# Altium PCB FMC_SDR_LFFE.PcbDoc (part 2 of 3) (continued)
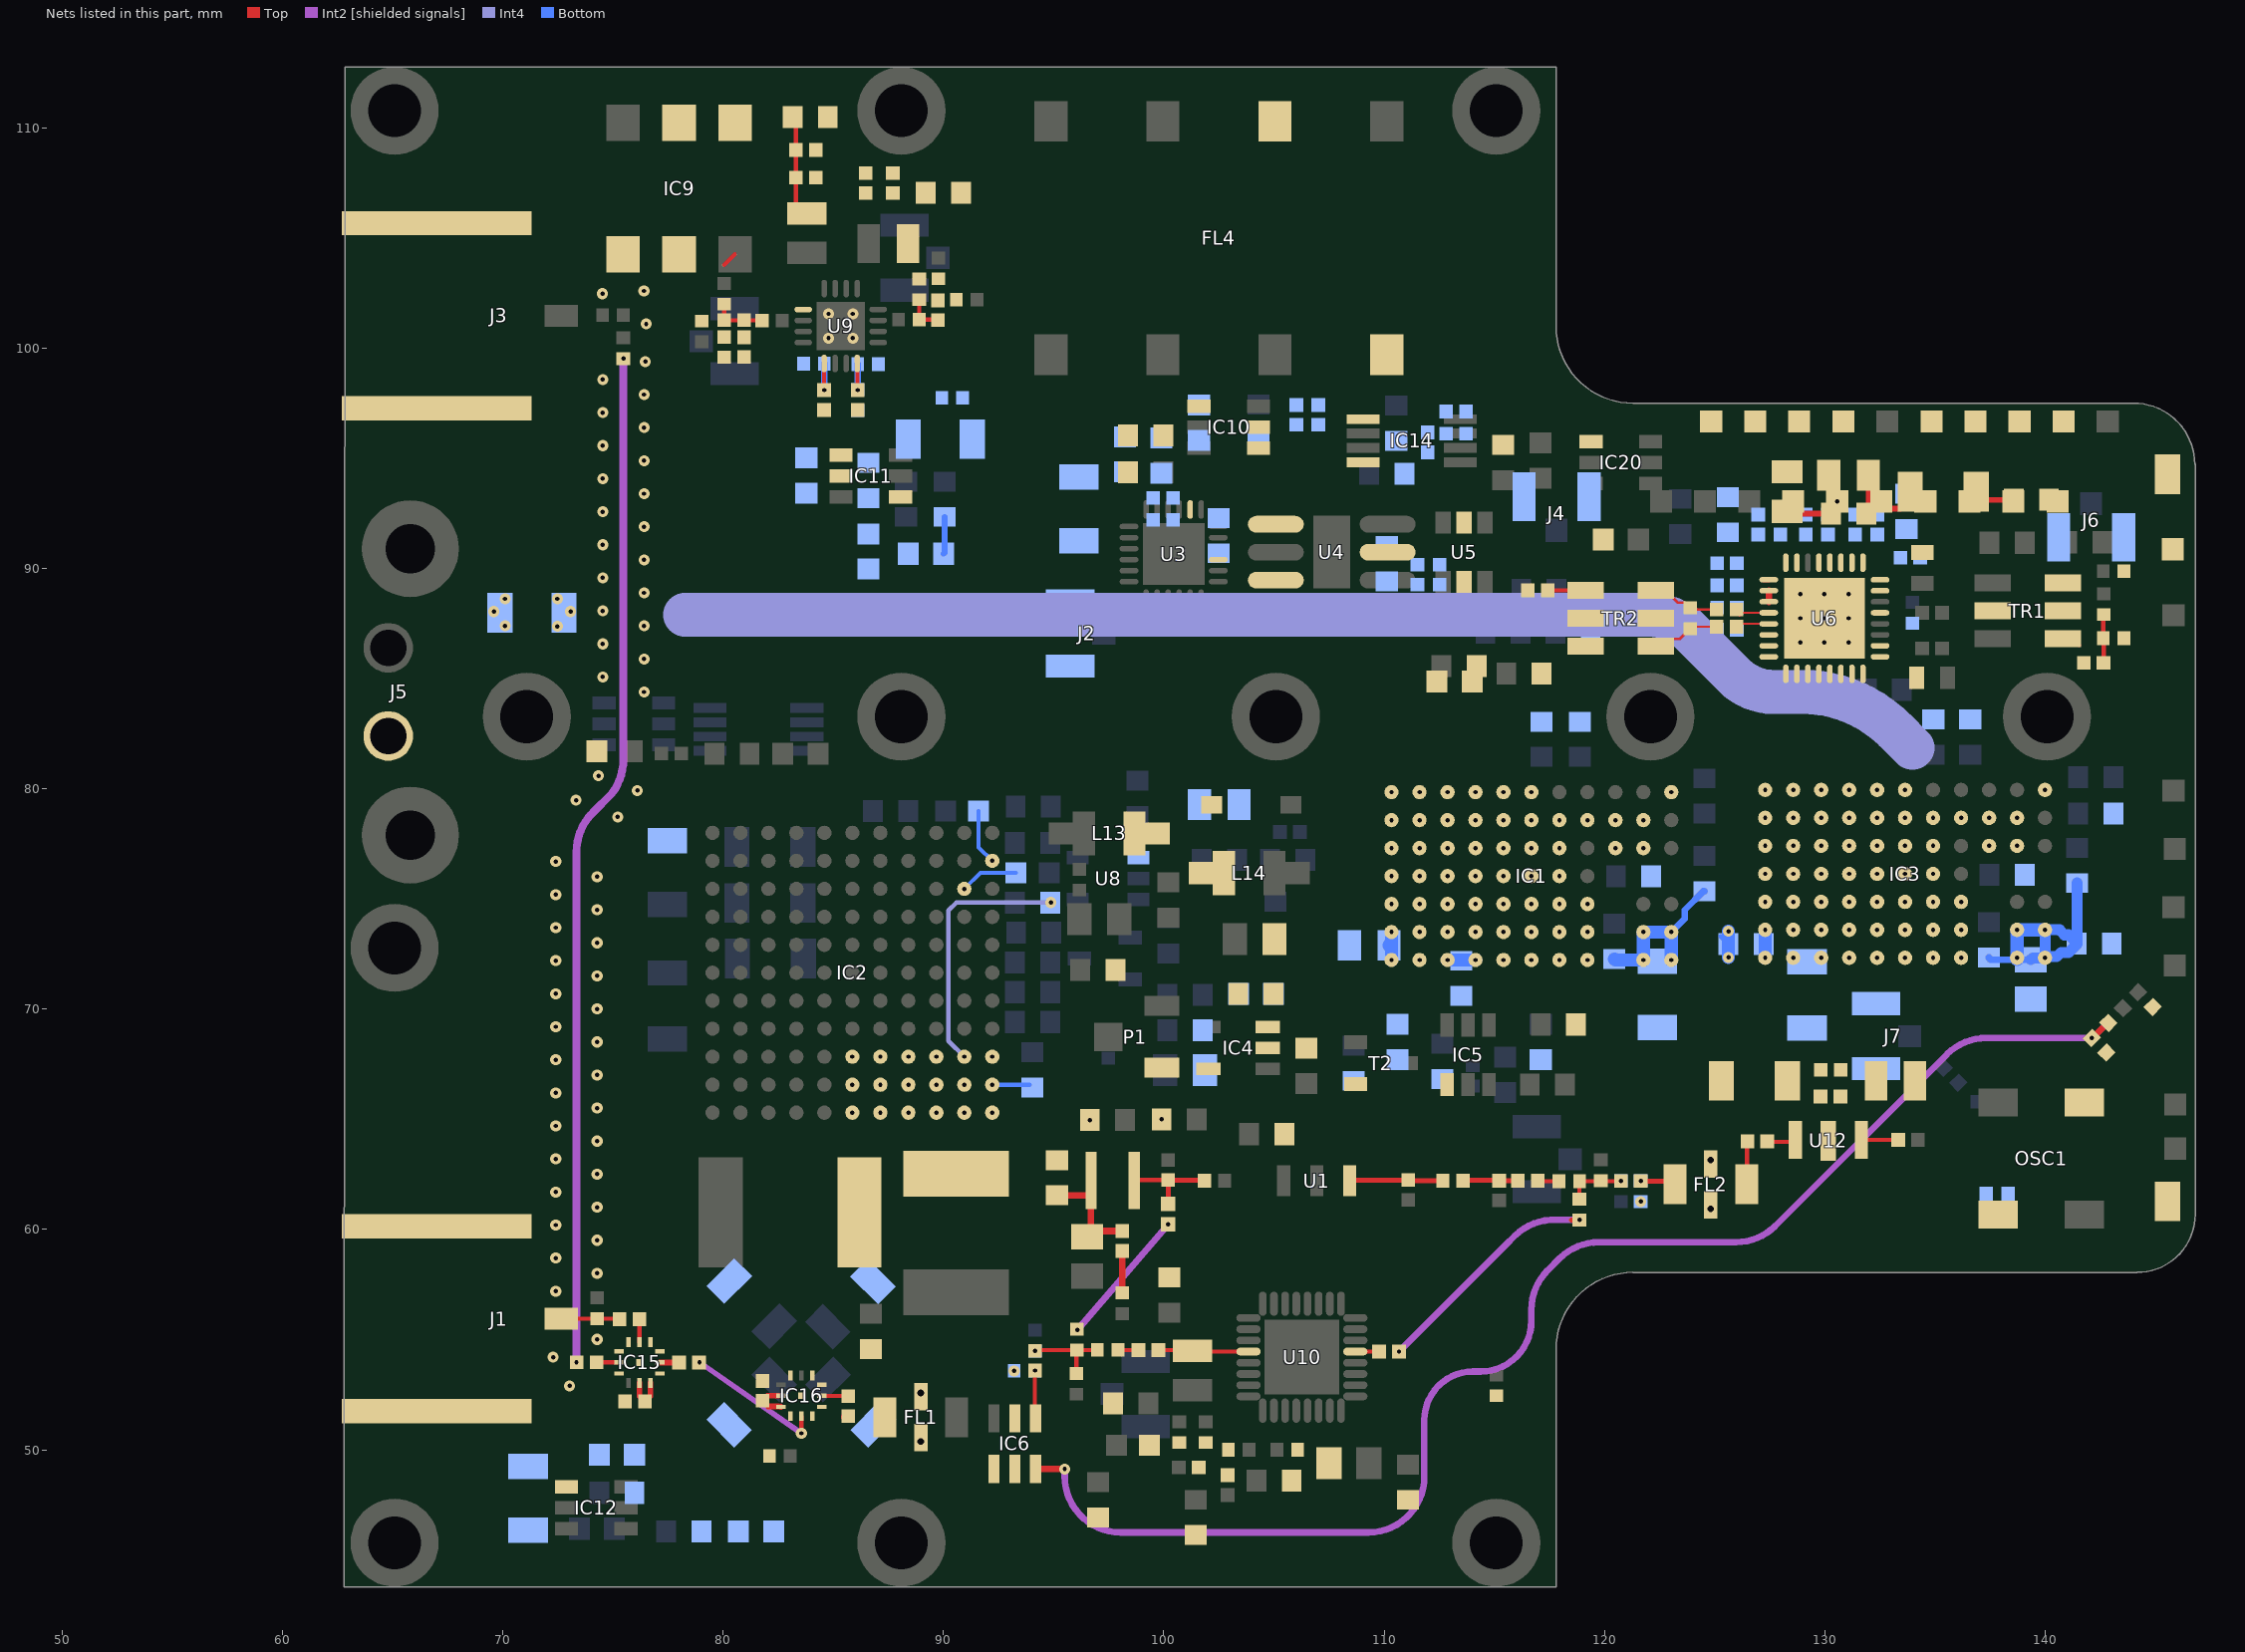
[diagram p6: the nets of this part, all layers, seen from the top]
## Part data (continued)
OSC1: library part OSC_80MHZ_CRYSTEK_CCHD-575X-20, "Oscillator 4 pins 1=NC 2=GND 3=OUT 4=VDD", Manufacturer="CRYSTEK CRYSTAL", Manufacturer Part Number=CCHD-575X-20-80.000, Author="CERN DEM JLC", Bonding=No, ComponentHeight=2.5mm, Component Type=Standard, CreateDate=22.09.2011, HelpURL=\\cern.ch\dfs\Applications\Altium\Datasheets\OSC_CRYSTEK_CCHD-575.pdf, LatestRevisionDate=09.10.2012, Mounted=Yes, PackageDescription="Oscillator, 5.08mm Pitch; 4 Pin, 5.08mm L X 7.5mm W X 2.5mm H, CCHD-575 Serie", Part Description="3.3V, ±20ppm, 15pF, -40..85°C, LVCMOS/LVTTL/HCMOS Surface Mount Clock Oscillator (SiT5003 Series)", Part Number=OSC_80MHZ_CRYSTEK_CCHD-575X-20, Pin Count=4, PressFit=No, Sense=No, SMD=Yes, Socket=No
P1: library part TRIM_11T_50K_BOURNS_3223W-1-503E, "Trimming Potentiometer", Case=3223W, Manufacturer=BOURNS, Manufacturer Part Number=3223W-1-503E, Power=0.125W, Tolerance=±20%, Author="CERN DEM JLC", ComponentHeight=4.16mm, Component Type=Standard, CreateDate=31.03.2011, HelpURL=\\cern.ch\dfs\Applications\Altium\Datasheets\TRIM_BOURNS_3223W.pdf, LatestRevisionDate=18.12.2012, Mounted=Yes, Part Description="11 Turns SMD Trimpot® Trimming Potentiometer (Top Adjust)", Part Number=TRIM_11T_50K_BOURNS_3223W-1-503E, Pin Count=3, PressFit=No, Sense=No, SMD=Yes, Socket=No, TC=±100ppm/°C
R1 R2 R25 R26 R27 R28 R29 R30 R33 R46 R47 R48 R53 R64 R71 R72 R75 R76: library part R0402_0R_JUMPER, "Resistor", Case=0402, Manufacturer=GENERIC, Manufacturer1 ComponentHeight=0.4mm, Manufacturer1 Example="YAGEO PHYCOMP", Manufacturer1 Part Number=232270591001L, Author="CERN DEM JLC", Component Type=Standard, CreateDate=03.12.2007, HelpURL=\\cern.ch\dfs\Applications\Altium\Datasheets\R0402_Phycomp_RC0402.pdf, LatestRevisionDate=17.10.2012, Manufacturer Part Number=R0402_0R_JUMPER, Mounted=Yes, Part Description="1A (0.05R Max DC Resistance) Zero Ohm Jumper", Part Number=R0402_0R_JUMPER, Pin Count=2, PressFit=No, Sense=No, SMD=Yes, Socket=No, Status="Not Recommended"
R3 R49: library part R0402_NO-VALUE, "Resistor", Case=0402, Author="CERN DEM JLC", Component Type=Standard, CreateDate=03.12.2007, HelpURL=Undefined, LatestRevisionDate=13.03.2008, Manufacturer=Undefined, Manufacturer1 ComponentHeight=Undefined, Manufacturer1 Example=Undefined, Manufacturer1 Part Number=Undefined, Manufacturer Part Number=R0402_NO-VALUE, Mounted=No, Part Description="Reserved Footprint For a 0402 (1005) Chip Resistor", Part Number=R0402_NO-VALUE, Pin Count=2, PressFit=No, Sense=No, SMD=Yes, Socket=No, Status=None
R4: library part R0402_49R9_1%_0.0625W_100PPM, "Resistor - 1%", Case=0402, Manufacturer=GENERIC, Manufacturer1 ComponentHeight=0.4mm, Manufacturer1 Example="YAGEO PHYCOMP", Manufacturer1 Part Number="232270674999L or RC0402FR-0749R9L", Power=0.0625W, Tolerance=±1%, Author="CERN DEM JLC", Component Type=Standard, CreateDate=24.10.2012, HelpURL=\\cern.ch\dfs\Applications\Altium\Datasheets\R0402_Phycomp_RC0402.pdf, LatestRevisionDate=24.10.2012, Manufacturer Part Number=R0402_49R9_1%_0.0625W_100PPM, Mounted=Yes, Part Description="General Purpose Thick Film Chip Resistor", Part Number=R0402_49R9_1%_0.0625W_100PPM, Pin Count=2, PressFit=No, Sense=No, SMD=Yes, Socket=No, Status="Not Recommended", TC=±100ppm/°C
R5 R6 R7 R12 R16 R20 R61 R63 R70 R73 R77 R82 R84 R85 R86 R88 R89 R92 R95 R96 R98 R100 R101 R103 R104 R105 R106 R107 R113 R114 R115 R125 R126 R130 R132 R133 R134 R136 R137 R138 R140 R141 R142 R145 R146 R147 R148 R151 R152 R153 R154: library part R0603_0R_JUMPER, "Resistor", Case=0603, Manufacturer=GENERIC, Manufacturer1 ComponentHeight=0.55mm, Manufacturer1 Example="NIC COMPONENT", Manufacturer1 Part Number=NRC06Z0, Author="CERN DEM JLC", Component Type=Standard, CreateDate=03.12.2007, HelpURL=\\cern.ch\dfs\Applications\Altium\Datasheets\R0603_NIC_NRC.pdf, LatestRevisionDate=13.03.2008, Manufacturer Part Number=R0603_0R_JUMPER, Mounted=Yes, Part Description="1A (0.05R Max DC Resistance) Zero Ohm Jumper", Part Number=R0603_0R_JUMPER, Pin Count=2, PressFit=No, Sense=No, SMD=Yes, Socket=No, Status=Preferred
R8 R14: library part R0603_42K2_0.1%_0.063W_10PPM, "Resistor - 0.1%", Case=0603, Manufacturer=GENERIC, Manufacturer1 ComponentHeight=0.5mm, Manufacturer1 Example="TYCO HOLSWORTHY", Manufacturer1 Part Number=RN73C1J42K2BTDF, Power=0.063W, Tolerance=±0.1%, Author="CERN DEM JLC", Component Type=Standard, CreateDate=03.12.2007, HelpURL=\\cern.ch\dfs\Applications\Altium\Datasheets\R0603_Tyco_RN73.pdf, LatestRevisionDate=13.03.2008, Manufacturer Part Number=R0603_42K2_0.1%_0.063W_10PPM, Mounted=Yes, Part Description="Thin Film Chip Resistor", Part Number=R0603_42K2_0.1%_0.063W_10PPM, Pin Count=2, PressFit=No, Sense=No, SMD=Yes, Socket=No, Status="Not Recommended", TC=±10ppm
R9: library part R0603_44R2_0.1%_0.063W_10PPM, "Resistor - 0.1%", Case=0603, Manufacturer=GENERIC, Manufacturer1 ComponentHeight=0.5mm, Manufacturer1 Example="TYCO HOLSWORTHY", Manufacturer1 Part Number=RN73C1J44R2BTDF, Power=0.063W, Tolerance=±0.1%, Author="CERN DEM JLC", Component Type=Standard, CreateDate=03.12.2007, HelpURL=\\cern.ch\dfs\Applications\Altium\Datasheets\R0603_Tyco_RN73.pdf, LatestRevisionDate=13.03.2008, Manufacturer Part Number=R0603_44R2_0.1%_0.063W_10PPM, Mounted=Yes, Part Description="Thin Film Chip Resistor", Part Number=R0603_44R2_0.1%_0.063W_10PPM, Pin Count=2, PressFit=No, Sense=No, SMD=Yes, Socket=No, Status="Not Recommended", TC=±10ppm
R10: library part R0603_66K5_0.1%_0.063W_10PPM, "Resistor - 0.1%", Case=0603, Manufacturer=GENERIC, Manufacturer1 ComponentHeight=0.5mm, Manufacturer1 Example="TYCO HOLSWORTHY", Manufacturer1 Part Number=RN73C1J66K5BTDF, Power=0.063W, Tolerance=±0.1%, Author="CERN DEM JLC", Component Type=Standard, CreateDate=03.12.2007, HelpURL=\\cern.ch\dfs\Applications\Altium\Datasheets\R0603_Tyco_RN73.pdf, LatestRevisionDate=13.03.2008, Manufacturer Part Number=R0603_66K5_0.1%_0.063W_10PPM, Mounted=Yes, Part Description="Thin Film Chip Resistor", Part Number=R0603_66K5_0.1%_0.063W_10PPM, Pin Count=2, PressFit=No, Sense=No, SMD=Yes, Socket=No, Status="Not Recommended", TC=±10ppm
R11: library part R0603_54K9_0.1%_0.063W_10PPM, "Resistor - 0.1%", Case=0603, Manufacturer=GENERIC, Manufacturer1 ComponentHeight=0.5mm, Manufacturer1 Example="TYCO HOLSWORTHY", Manufacturer1 Part Number=RN73C1J54K9BTDF, Power=0.063W, Tolerance=±0.1%, Author="CERN DEM JLC", Component Type=Standard, CreateDate=03.12.2007, HelpURL=\\cern.ch\dfs\Applications\Altium\Datasheets\R0603_Tyco_RN73.pdf, LatestRevisionDate=13.03.2008, Manufacturer Part Number=R0603_54K9_0.1%_0.063W_10PPM, Mounted=Yes, Part Description="Thin Film Chip Resistor", Part Number=R0603_54K9_0.1%_0.063W_10PPM, Pin Count=2, PressFit=No, Sense=No, SMD=Yes, Socket=No, Status="Not Recommended", TC=±10ppm
R13: library part R0603_100K_0.1%_0.063W_10PPM, "Resistor - 0.1%", Case=0603, Manufacturer=GENERIC, Manufacturer1 ComponentHeight=0.55mm, Manufacturer1 Example="TYCO HOLSWORTHY", Manufacturer1 Part Number=RN73C1J100KBTDF, Power=0.063W, Tolerance=±0.1%, Author="CERN DEM JLC", Component Type=Standard, CreateDate=03.12.2007, HelpURL=\\cern.ch\dfs\Applications\Altium\Datasheets\R0603_Tyco_RN73.pdf, LatestRevisionDate=13.03.2008, Manufacturer Part Number=R0603_100K_0.1%_0.063W_10PPM, Mounted=Yes, Part Description="Thin Film Chip Resistor", Part Number=R0603_100K_0.1%_0.063W_10PPM, Pin Count=2, PressFit=No, Sense=No, SMD=Yes, Socket=No, Status="Not Recommended", TC=±10ppm
R15: library part R0603_5K36_0.1%_0.063W_10PPM, "Resistor - 0.1%", Case=0603, Manufacturer=GENERIC, Manufacturer1 ComponentHeight=0.5mm, Manufacturer1 Example="TYCO HOLSWORTHY", Manufacturer1 Part Number=RN73C1J5K36BTDF, Power=0.063W, Tolerance=±0.1%, Author="CERN DEM JLC", Component Type=Standard, CreateDate=03.12.2007, HelpURL=\\cern.ch\dfs\Applications\Altium\Datasheets\R0603_Tyco_RN73.pdf, LatestRevisionDate=13.03.2008, Manufacturer Part Number=R0603_5K36_0.1%_0.063W_10PPM, Mounted=Yes, Part Description="Thin Film Chip Resistor", Part Number=R0603_5K36_0.1%_0.063W_10PPM, Pin Count=2, PressFit=No, Sense=No, SMD=Yes, Socket=No, Status="Not Recommended", TC=±10ppm
R17 R18 R19 R21 R22 R24 R50 R51 R52 R87 R90 R94 R129 R131 R144 R149 R150: library part R0603_NO-VALUE, "Resistor", Case=0603, Author="CERN DEM JLC", Component Type=Standard, CreateDate=03.12.2007, HelpURL=Undefined, LatestRevisionDate=13.03.2008, Manufacturer=Undefined, Manufacturer1 ComponentHeight=Undefined, Manufacturer1 Example=Undefined, Manufacturer1 Part Number=Undefined, Manufacturer Part Number=R0603_NO-VALUE, Mounted=No, Part Description="Reserved Footprint For a 0603 (1608) Chip Resistor", Part Number=R0603_NO-VALUE, Pin Count=2, PressFit=No, Sense=No, SMD=Yes, Socket=No, Status=None
R23 R31 R32 R34 R42: library part R0402_10K_1%_0.0625W_100PPM, "Resistor - 1%", Case=0402, Manufacturer=GENERIC, Manufacturer1 ComponentHeight=0.4mm, Manufacturer1 Example="YAGEO PHYCOMP", Manufacturer1 Part Number=232270671003L, Power=0.0625W, Tolerance=±1%, Author="CERN DEM JLC", Component Type=Standard, CreateDate=03.12.2007, HelpURL=\\cern.ch\dfs\Applications\Altium\Datasheets\R0402_Phycomp_RC0402.pdf, LatestRevisionDate=17.10.2012, Manufacturer Part Number=R0402_10K_1%_0.0625W_100PPM, Mounted=Yes, Part Description="General Purpose Thick Film Chip Resistor", Part Number=R0402_10K_1%_0.0625W_100PPM, Pin Count=2, PressFit=No, Sense=No, SMD=Yes, Socket=No, Status="Not Recommended", TC=±100ppm/°C
R35: library part R0402_36R_1%_0.0625W_100PPM, "Resistor - 1%", Case=0402, Manufacturer=GENERIC, Manufacturer1 ComponentHeight=0.4mm, Manufacturer1 Example="YAGEO PHYCOMP", Manufacturer1 Part Number=232270673609L, Power=0.0625W, Tolerance=±1%, Author="CERN DEM JLC", Component Type=Standard, CreateDate=03.12.2007, HelpURL=\\cern.ch\dfs\Applications\Altium\Datasheets\R0402_Phycomp_RC0402.pdf, LatestRevisionDate=17.10.2012, Manufacturer Part Number=R0402_36R_1%_0.0625W_100PPM, Mounted=Yes, Part Description="General Purpose Thick Film Chip Resistor", Part Number=R0402_36R_1%_0.0625W_100PPM, Pin Count=2, PressFit=No, Sense=No, SMD=Yes, Socket=No, Status="Not Recommended", TC=±100ppm/°C
R36: library part R0402_100R_1%_0.0625W_100PPM, "Resistor - 1%", Case=0402, Manufacturer=GENERIC, Manufacturer1 ComponentHeight=0.4mm, Manufacturer1 Example="YAGEO PHYCOMP", Manufacturer1 Part Number=232270671001L, Power=0.0625W, Tolerance=±1%, Author="CERN DEM JLC", Component Type=Standard, CreateDate=03.12.2007, HelpURL=\\cern.ch\dfs\Applications\Altium\Datasheets\R0402_Phycomp_RC0402.pdf, LatestRevisionDate=17.10.2012, Manufacturer Part Number=R0402_100R_1%_0.0625W_100PPM, Mounted=Yes, Part Description="General Purpose Thick Film Chip Resistor", Part Number=R0402_100R_1%_0.0625W_100PPM, Pin Count=2, PressFit=No, Sense=No, SMD=Yes, Socket=No, Status="Not Recommended", TC=±100ppm/°C
R37 R38: library part R0402_150R_1%_0.0625W_100PPM, "Resistor - 1%", Case=0402, Manufacturer=GENERIC, Manufacturer1 ComponentHeight=0.4mm, Manufacturer1 Example="YAGEO PHYCOMP", Manufacturer1 Part Number=232270671501L, Power=0.0625W, Tolerance=±1%, Author="CERN DEM JLC", Component Type=Standard, CreateDate=03.12.2007, HelpURL=\\cern.ch\dfs\Applications\Altium\Datasheets\R0402_Phycomp_RC0402.pdf, LatestRevisionDate=17.10.2012, Manufacturer Part Number=R0402_150R_1%_0.0625W_100PPM, Mounted=Yes, Part Description="General Purpose Thick Film Chip Resistor", Part Number=R0402_150R_1%_0.0625W_100PPM, Pin Count=2, PressFit=No, Sense=No, SMD=Yes, Socket=No, Status="Not Recommended", TC=±100ppm/°C
R39: library part R0603_68R_1%_0.1W_100PPM, "Resistor - 1%", Case=0603, Manufacturer=GENERIC, Manufacturer1 ComponentHeight=0.55mm, Manufacturer1 Example="NIC COMPONENT", Manufacturer1 Part Number=NRC06F68R0TRF, Power=0.1W, Tolerance=±1%, Author="CERN DEM JLC", Component Type=Standard, CreateDate=03.12.2007, HelpURL=\\cern.ch\dfs\Applications\Altium\Datasheets\R0603_NIC_NRC.pdf, LatestRevisionDate=13.03.2008, Manufacturer Part Number=R0603_68R_1%_0.1W_100PPM, Mounted=Yes, Part Description="General Purpose Thick Film Chip Resistor", Part Number=R0603_68R_1%_0.1W_100PPM, Pin Count=2, PressFit=No, Sense=No, SMD=Yes, Socket=No, Status=Preferred, TC=±100ppm/°C
R40: library part R0603_430R_1%_0.1W_100PPM, "Resistor - 1%", Case=0603, Manufacturer=GENERIC, Manufacturer1 ComponentHeight=0.55mm, Manufacturer1 Example="NIC COMPONENT", Manufacturer1 Part Number=NRC06F4300TRF, Power=0.1W, Tolerance=±1%, Author="CERN DEM JLC", Component Type=Standard, CreateDate=03.12.2007, HelpURL=\\cern.ch\dfs\Applications\Altium\Datasheets\R0603_NIC_NRC.pdf, LatestRevisionDate=13.03.2008, Manufacturer Part Number=R0603_430R_1%_0.1W_100PPM, Mounted=Yes, Part Description="General Purpose Thick Film Chip Resistor", Part Number=R0603_430R_1%_0.1W_100PPM, Pin Count=2, PressFit=No, Sense=No, SMD=Yes, Socket=No, Status=Preferred, TC=±100ppm/°C
R41: library part R0402_249R_1%_0.0625W_100PPM, "Resistor - 1%", Case=0402, Manufacturer=GENERIC, Manufacturer1 ComponentHeight=0.4mm, Manufacturer1 Example=VISHAY, Manufacturer1 Part Number=CRCW0402249RFKED, Power=0.0625W, Tolerance=±1%, Author="CERN DEM JLC", Component Type=Standard, CreateDate=04.11.2014, HelpURL="\\cern.ch\dfs\Applications\Altium\Datasheets\R0402_VISHAY_CRCW e3.pdf", LatestRevisionDate=04.11.2014, Manufacturer Part Number=R0402_249R_1%_0.0625W_100PPM, Mounted=Yes, Part Description="General Purpose Thick Film Chip Resistor", Part Number=R0402_249R_1%_0.0625W_100PPM, Pin Count=2, PressFit=No, Sense=No, SMD=Yes, Socket=No, Status=None, TC=±100ppm/°C
R43 R44: library part R0402_62R_1%_0.0625W_100PPM, "Resistor - 1%", Case=0402, Manufacturer=GENERIC, Manufacturer1 ComponentHeight=0.4mm, Manufacturer1 Example="YAGEO PHYCOMP", Manufacturer1 Part Number=232270676209L, Power=0.0625W, Tolerance=±1%, Author="CERN DEM JLC", Component Type=Standard, CreateDate=03.12.2007, HelpURL=\\cern.ch\dfs\Applications\Altium\Datasheets\R0402_Phycomp_RC0402.pdf, LatestRevisionDate=17.10.2012, Manufacturer Part Number=R0402_62R_1%_0.0625W_100PPM, Mounted=Yes, Part Description="General Purpose Thick Film Chip Resistor", Part Number=R0402_62R_1%_0.0625W_100PPM, Pin Count=2, PressFit=No, Sense=No, SMD=Yes, Socket=No, Status="Not Recommended", TC=±100ppm/°C
R45: library part R0402_1M_1%_0.0625W_100PPM, "Resistor - 1%", Case=0402, Manufacturer=GENERIC, Manufacturer1 ComponentHeight=0.4mm, Manufacturer1 Example="YAGEO PHYCOMP", Manufacturer1 Part Number=232270671005L, Power=0.0625W, Tolerance=±1%, Author="CERN DEM JLC", Component Type=Standard, CreateDate=03.12.2007, HelpURL=\\cern.ch\dfs\Applications\Altium\Datasheets\R0402_Phycomp_RC0402.pdf, LatestRevisionDate=17.10.2012, Manufacturer Part Number=R0402_1M_1%_0.0625W_100PPM, Mounted=Yes, Part Description="General Purpose Thick Film Chip Resistor", Part Number=R0402_1M_1%_0.0625W_100PPM, Pin Count=2, PressFit=No, Sense=No, SMD=Yes, Socket=No, Status="Not Recommended", TC=±100ppm/°C
R58 R83: library part R0402_5R1_1%_0.0625W_100PPM, "Resistor - 1%", Case=0402, Manufacturer=GENERIC, Manufacturer1 ComponentHeight=0.4mm, Manufacturer1 Example=VISHAY, Manufacturer1 Part Number=CRCW04025R10FKED, Power=0.0625W, Tolerance=±1%, Author="CERN DEM MR", Component Type=Standard, CreateDate=22.11.2016, HelpURL="\\cern.ch\dfs\Applications\Altium\Datasheets\R0402_VISHAY_CRCW e3.pdf", LatestRevisionDate=22.11.2016, Manufacturer Part Number=R0402_5R1_1%_0.0625W_100PPM, Mounted=Yes, Part Description="General Purpose Thick Film Chip Resistor", Part Number=R0402_5R1_1%_0.0625W_100PPM, Pin Count=2, PressFit=No, Sense=No, SMD=Yes, Socket=No, Status="Not Recommended", TC=±100ppm/°C
R59: library part R0402_39K_1%_0.0625W_100PPM, "Resistor - 1%", Case=0402, Manufacturer=GENERIC, Manufacturer1 ComponentHeight=0.4mm, Manufacturer1 Example="YAGEO PHYCOMP", Manufacturer1 Part Number=232270673903, Power=0.0625W, Tolerance=±1%, Author="CERN DEM JLC", Component Type=Standard, CreateDate=03.12.2007, HelpURL=\\cern.ch\dfs\Applications\Altium\Datasheets\R0402_Phycomp_RC0402.pdf, LatestRevisionDate=17.10.2012, Manufacturer Part Number=R0402_39K_1%_0.0625W_100PPM, Mounted=Yes, Part Description="General Purpose Thick Film Chip Resistor", Part Number=R0402_39K_1%_0.0625W_100PPM, Pin Count=2, PressFit=No, Sense=No, SMD=Yes, Socket=No, Status="Not Recommended", TC=±100ppm/°C
R66 R67 R68 R69: library part R1206_200R_1%_0.25W_100PPM, "Resistor - 1%", Case=1206, Manufacturer=GENERIC, Manufacturer1 ComponentHeight=0.65mm, Manufacturer1 Example="NIC COMPONENT", Manufacturer1 Part Number=NRC12F2000TRF, Power=0.25W, Tolerance=±1%, Author="CERN DEM JLC", Component Type=Standard, CreateDate=03.12.2007, HelpURL=\\cern.ch\dfs\Applications\Altium\Datasheets\R1206_NIC_NRC.pdf, LatestRevisionDate=13.03.2008, Manufacturer Part Number=R1206_200R_1%_0.25W_100PPM, Mounted=Yes, Part Description="General Purpose Thick Film Chip Resistor", Part Number=R1206_200R_1%_0.25W_100PPM, Pin Count=2, PressFit=No, Sense=No, SMD=Yes, Socket=No, Status=Preferred, TC=±100ppm/°C
R78 R79 R80 R81: library part R0402_10R_1%_0.0625W_200PPM, "Resistor - 1%", Case=0402, Manufacturer=GENERIC, Manufacturer1 ComponentHeight=0.4mm, Manufacturer1 Example="YAGEO PHYCOMP", Manufacturer1 Part Number=232270671009L, Power=0.0625W, Tolerance=±1%, Author="CERN DEM JLC", Component Type=Standard, CreateDate=24.06.2009, HelpURL=\\cern.ch\dfs\Applications\Altium\Datasheets\R0402_Phycomp_RC0402.pdf, LatestRevisionDate=17.10.2012, Manufacturer Part Number=R0402_10R_1%_0.0625W_200PPM, Mounted=Yes, Part Description="General Purpose Thick Film Chip Resistor", Part Number=R0402_10R_1%_0.0625W_200PPM, Pin Count=2, PressFit=No, Sense=No, SMD=Yes, Socket=No, Status="Not Recommended", TC=±200ppm/°C
R91 R99 R102 R116 R127: library part R1206_NO-VALUE, "Resistor", Case=1206, Manufacturer1 ComponentHeight=0.65mm, Author="CERN DEM JLC", Component Type=Standard, CreateDate=03.12.2007, HelpURL=Undefined, LatestRevisionDate=13.03.2008, Manufacturer=Undefined, Manufacturer1 Example=Undefined, Manufacturer1 Part Number=Undefined, Manufacturer Part Number=R1206_NO-VALUE, Mounted=No, Part Description="Reserved Footprint For a 1206 (3216) Chip Resistor", Part Number=R1206_NO-VALUE, Pin Count=2, PressFit=No, Sense=No, SMD=Yes, Socket=No, Status=None
R109: library part R0603_73K2_0.1%_0.063W_10PPM, "Resistor - 0.1%", Case=0603, Manufacturer=GENERIC, Manufacturer1 ComponentHeight=0.5mm, Manufacturer1 Example="TYCO HOLSWORTHY", Manufacturer1 Part Number=RN73C1J73K2BTDF, Power=0.063W, Tolerance=±0.1%, Author="CERN DEM JLC", Component Type=Standard, CreateDate=03.12.2007, HelpURL=\\cern.ch\dfs\Applications\Altium\Datasheets\R0603_Tyco_RN73.pdf, LatestRevisionDate=13.03.2008, Manufacturer Part Number=R0603_73K2_0.1%_0.063W_10PPM, Mounted=Yes, Part Description="Thin Film Chip Resistor", Part Number=R0603_73K2_0.1%_0.063W_10PPM, Pin Count=2, PressFit=No, Sense=No, SMD=Yes, Socket=No, Status="Not Recommended", TC=±10ppm
R111: library part R0603_24K9_0.1%_0.063W_10PPM, "Resistor - 0.1%", Case=0603, Manufacturer=GENERIC, Manufacturer1 ComponentHeight=0.5mm, Manufacturer1 Example="TYCO HOLSWORTHY", Manufacturer1 Part Number=RN73C1J24K9BTDF, Power=0.063W, Tolerance=±0.1%, Author="CERN DEM JLC", Component Type=Standard, CreateDate=03.12.2007, HelpURL=\\cern.ch\dfs\Applications\Altium\Datasheets\R0603_Tyco_RN73.pdf, LatestRevisionDate=13.03.2008, Manufacturer Part Number=R0603_24K9_0.1%_0.063W_10PPM, Mounted=Yes, Part Description="Thin Film Chip Resistor", Part Number=R0603_24K9_0.1%_0.063W_10PPM, Pin Count=2, PressFit=No, Sense=No, SMD=Yes, Socket=No, Status="Not Recommended", TC=±10ppm
R139 R143: library part R0402_56K_1%_0.0625W_100PPM, "Resistor - 1%", Case=0402, Manufacturer=GENERIC, Manufacturer1 ComponentHeight=0.4mm, Manufacturer1 Example="YAGEO PHYCOMP", Manufacturer1 Part Number=232270675603L, Power=0.0625W, Tolerance=±1%, Author="CERN DEM JLC", Component Type=Standard, CreateDate=03.12.2007, HelpURL=\\cern.ch\dfs\Applications\Altium\Datasheets\R0402_Phycomp_RC0402.pdf, LatestRevisionDate=17.10.2012, Manufacturer Part Number=R0402_56K_1%_0.0625W_100PPM, Mounted=Yes, Part Description="General Purpose Thick Film Chip Resistor", Part Number=R0402_56K_1%_0.0625W_100PPM, Pin Count=2, PressFit=No, Sense=No, SMD=Yes, Socket=No, Status="Not Recommended", TC=±100ppm/°C
T1 T2: "N-CHANNEL MOSFET WITH DIODE", Case=SOT23-3, Manufacturer="FAIRCHILD SEMICONDUCTOR", Author="CERN DEM JLC", Bonding=No, ComponentHeight=1.3mm, Component Type=Standard, CreateDate=20.08.2008, Device=2N7002, HelpURL=\\cern.ch\dfs\Applications\Altium\Datasheets\2N7002.pdf, LatestRevisionDate=07.04.2009, Manufacturer Part Number=2N7002, Mounted=Yes, PackageDescription="SOT23 3-Leads, Pitch 0.95mm - Body 1.3x2.9mm, IPC Medium Density", Part Description="60V 280mA N-Channel Enhancement Mode Field Effect Transistor (FET)", Part Number=2N7002, Pin Count=3, PressFit=No, Sense=No, SMD=Yes, Socket=No
TR1 TR2: library part XFMR_MINI-CIRCUITS_TCM1-63AX+, "50 Ohms 10  to 6000MHz RF Transformer", Manufacturer=MINI-CIRCUITS, Manufacturer Part Number=TCM1-63AX+, Power=0.2W, Author="CERN DEM MR", ComponentHeight=4.06mm, Component Type=Standard, CreateDate=08.02.2019, HelpURL=\\cern.ch\dfs\Applications\Altium\Datasheets\XFMR_MINI-CIRCUITS_TCM1-63AX+.pdf, LatestRevisionDate=08.02.2019, Mounted=Yes, Part Description="50 Ohms 10  to 6000MHz RF Transformer", Part Number=XFMR_MINI-CIRCUITS_TCM1-63AX+, Pin Count=6, Sense=No, SMD=Yes, Socket=No, Status=None
BSC1 BSC2 BSC3 BSC4 BSC5 BSC7 BSC8 BSC8_1 BSC9 BSC10 BSC10_1 BSC11 BSC11_1 BSC12 BSC12_1 BSC13 BSC13_1 BSC14 BSC14_1 BSC15 BSC15_1 BSC16 BSC17 BSC17_1 BSC20 BSC20_1 BSC21 BSC21_1: Part Description="Board connection - soldered 0603 jumper", Pin Count=1, PressFit=No, Sense=No, SMD=Yes, Socket=No, Status=None
BSC18 BSC19: Part Description="Board connection - soldered 1206 jumper", Pin Count=1, PressFit=No, Sense=No, SMD=Yes, Socket=No, Status=None

## Via types
v1: diameter 0.5, hole 0.2, Top to Bottom, 412 vias
v2: diameter 0.6, hole 0.3, Top to Bottom, 4 vias

## Nets (pads, with @x,y where several pads share a name; then routed paths per layer and width w, separated by ;. In a path a pad name is that pad's centre, name@x,y a point inside that pad or via, vN(x,y) a via of type N, cw(c..) or ccw(c..) an arc to the next point about the centre after c; other vN are vias at no path point)
5356_SPI_CE: BSC13.1 U6.4
5356_SPI_CLK: BSC8.1 U6.1
5356_SPI_DATA: BSC10.1 U6.2
5356_SPI_LE: BSC11.1 U6.3
CR_NSHDN: BSC12.1 R131.1 R149.1
DIV_out_N: C108.1 R36.1 TR2.4 | length 3.1
  Top w0.106: TR2.4@122.327,89.014 122.772,89.014 123.335,88.451 123.661,88.451 123.976,88.136 C108.1@125.097,88.136
DIV_out_P: C103.1 R36.2 TR2.6 | length 3.1
  Top w0.106: TR2.6@122.327,86.474 122.654,86.801 123.405,86.801 123.878,87.274 R36.2@123.898,87.274 123.986,87.361 C103.1@125.097,87.361
DIV_PLLin_N: C108.2 U6.28 | length 1.4
  Top w0.106: C108.2@126.129,87.874 126.249,87.994 U6.28@127.457,87.994
DIV_PLLin_P: C103.2 U6.29 | length 1.4
  Top w0.106: C103.2@126.129,87.623 126.194,87.558 126.258,87.494 U6.29@127.457,87.494
DIV_RFout: C106.1 R84.2
EXTERNAL_PS: J5.A R116.1 R127.1
  other v1: 70.104,87.4 69.596,88.05 70.104,88.625
FE_3V3_CarrierR: C130.2 R85.2 R86.2 R88.1 R91.1 R96.2
FE_3V3_CarrierR_S: C110.2 C111.2 C112.1 C118.2 C119.2 C123.2 C124.2 L11.2 L12.2 R88.2 U6.5 U6.6 U6.10 U6.16 U6.19 U6.26 U6.27 | length 0.5
  Top w0.3: U6.27@127.457,88.494 U6.26@127.457,88.994
FE_3V3_Rx: C139.2 R3.1 R61.1 R63.1 R99.1 R101.2
FE_3V3_SW: C13.2 C14.2 C159.2 C160.2 C189.2 IC15.8 IC15.9 IC16.8 IC16.9 OSC1.4 R102.1 R107.2 | length 3.8
  Top w0.254: IC15.8@76.2,53.038 76.2,52.443 C159.2@76.45,52.193 76.7,52.443 IC15.9@76.7,53.038 ; IC16.9@82.625,51.95 82.606,51.969 82.04,51.969 C160.2@81.784,52.225 82.009,52.45 IC16.8@82.625,52.45
FE_3V8: C128.2 C131.2 C184.2 R92.1 R98.2 R100.1 R106.1 | length 1.7
  Bottom w0.254: C131.2@90,90.674 90.05,90.724 R100.1@90.05,92.346
FE_5V0_CarrierR: R125.1 R147.2
FE_5V0_Preamp: C174.2 C175.2 C176.2 L23.2 R115.2
FE_5V5: C2.2 C192.2 C206.2 IC3.A1 IC3.A2 IC3.A3 IC3.A4 IC3.B1 IC3.B2 IC3.B3 IC3.B4 IC3.C1 IC3.C2 IC3.C3 IC3.C4 IC3.D1 IC3.D2 IC3.D3 IC3.D4 R95.1 R113.1 R146.1 | length 1.3
  Bottom w0.6: v1(127.295,72.333) v1(127.295,73.603)
  other v1: 128.565,72.333 129.835,72.333 131.105,72.333 128.565,73.603 129.835,73.603 131.105,73.603 127.295,74.873 128.565,74.873 129.835,74.873 131.105,74.873 127.295,76.143 128.565,76.143 129.835,76.143 131.105,76.143
FE_5V_CarrierR_S: C200.2 C201.2 R125.2 U6.17
FE_-5V: C182.2 C187.2 IC4.2 R104.2
FE_NSHDN_DEEP: BSC17.1 R129.1
FE_PA_BIAS: R73.1 R105.2
FE_PA_VDD: C11.2 C12.2 IC2.A1 IC2.A2 IC2.A3 IC2.A4 IC2.A5 IC2.A6 IC2.B1 IC2.B2 IC2.B3 IC2.B4 IC2.B5 IC2.B6 IC2.C1 IC2.C2 IC2.C3 IC2.C4 IC2.C5 IC2.C6 R12.2 R13.2 R77.2 R82.2 | length 14.2
  Int4 w0.2: v1(90.945,67.844) 90.225,68.564 90.225,73.381 90.225,74.478 90.584,74.837 94.119,74.837 ; 94.119,74.837 94.126,74.844 v1(94.871,74.844) 94.864,74.837 94.119,74.837
  Bottom w0.2: v1@92.22,66.569 R12.2@93.9,66.569
  other v1: 85.865,65.304 87.135,65.304 88.405,65.304 89.675,65.304 90.945,65.304 92.215,65.304 85.865,66.574 87.135,66.574 88.405,66.574 89.675,66.574 90.945,66.574 92.215,66.574 85.865,67.844 87.135,67.844 88.405,67.844 89.675,67.844 92.215,67.844
FE_TxAmpCPL: IC6.3 R41.1 R43.2 | length 63.5
  Top w0.3: IC6.3@94.176,49.135 94.185,49.125 v1(95.5,49.125) ; v1(142.118,68.692) R41.1@142.868,69.378
  Int2 [shielded signals] w0.3: v1(95.5,49.125) 95.5,48.79 ccw(c98.04,48.79) 98.04,46.25 109.285,46.25 ccw(c109.285,48.79) 111.825,48.79 111.825,51.35 cw(c114.029,51.35) 114.029,53.555 114.384,53.555 ccw(c114.384,55.852) 116.681,55.852 116.681,56.354 cw(c119.221,56.354) 117.425,58.15 ; 117.725,58.45 117.425,58.15 ; v1(142.118,68.692) 137.338,68.692 ccw(c137.338,66.152) 135.542,67.948 127.762,60.169 cw(c125.966,61.965) 125.966,59.425 119.752,59.425 ccw(c119.752,56.885) 117.956,58.681 117.425,58.15
FMC_3V3_IN: BSC18.1 C202.2 IC14.1 R91.2 R99.2 R102.2 R132.2
FMC_12V_IN: BSC19.1 R103.1 R126.1
GND: BSC14_1.1 C1.1 C2.1 C3.1 C10.1 C13.1 C14.1 C99.1 C100.1 C101.1 C102.1 C109.1 C110.1 C111.1 C112.2 C116.2 C117.1 C118.1 C119.1 C120.1 C121.1 C122.2 C123.1 C124.1 C128.1 C130.1 C131.1 C139.1 C148.1 C149.1 C150.1 C151.1 C152.1 C153.1 C154.1 C159.1 C160.1 C169.1 C174.1 C175.1 C176.1 C184.1 C189.1 C192.1 C194.1 C200.1 C201.1 C202.1 C206.1 C208.1 FL1.2 FL1.4 FL2.2 FL2.4 FL4.2 IC1.A5 IC1.A6 IC1.A7 IC1.B5 IC1.B6 IC1.B7 IC1.C5 IC1.C6 IC1.C7 IC1.D5 IC1.D6 IC1.D7 IC1.E1 IC1.E2 IC1.E3 IC1.E4 IC1.E5 IC1.E6 IC1.E7 IC1.F1 IC1.F2 IC1.F3 IC1.F4 IC1.F5 IC1.F6 IC1.F7 IC1.G1 IC1.G2 IC1.G3 IC1.G4 IC1.G5 IC1.G6 IC1.H1 IC1.H2 IC1.H3 IC1.H6 IC1.J5 IC1.J6 IC1.K5 IC1.K6 IC1.L7 IC3.A5 IC3.A6 IC3.A7 IC3.B5 IC3.B6 IC3.B7 IC3.C5 IC3.C6 IC3.C7 IC3.D5 IC3.D6 IC3.D7 IC3.E1 IC3.E2 IC3.E3 IC3.E4 IC3.E5 IC3.E6 IC3.E7 IC3.F1 IC3.F2 IC3.F3 IC3.F4 IC3.F5 IC3.F6 IC3.F7 IC3.G1 IC3.G2 IC3.G3 IC3.G4 IC3.G5 IC3.G6 IC3.H1 IC3.H2 IC3.H3 IC3.H6 IC3.J5 IC3.J6 IC3.K5 IC3.K6 IC3.L7 IC5.1 IC6.1 IC6.2 IC6.5 IC9.2 IC9.3 IC9.5 IC9.6 IC10.1 IC11.1 IC12.1 IC14.4 IC15.1 IC15.3 IC15.4 IC15.6 IC15.10 IC15.12 IC15.13 IC16.1 IC16.3 IC16.4 IC16.6 IC16.10 IC16.12 IC16.13 IC20.1 J1.2 J2.2 J3.2 J4.2 J6.2 J7.2 L18.1 OSC1.2 R4.2 R8.2 R9.2 R10.2 R11.2 R19.1 R21.1 R31.2 R34.2 R37.1 R38.1 R39.1 R43.1 R44.1 R45.1 R48.2 R53.2 R59.1 R66.2 R67.2 R68.2 R69.2 R114.1 R133.2 R136.1 R138.1 R140.1 R145.1 R151.1 R152.1 R153.1 R154.1 T2.2 TR1.1 TR1.2 TR1.5 TR2.1 TR2.2 TR2.5 U3.15 U4.1 U4.3 U4.5 U5.2 U6.8 U6.9 U6.13 U6.15 U6.18 U6.21 U6.31 U6.33 U9.1 U12.2
  other v1: 73.028,52.905 93.205,53.585 72.284,54.207 74.279,55.012 72.401,57.203 74.279,58.012 72.401,58.703 74.279,59.512 72.401,60.203 74.279,61.012 121.645,61.269 72.401,61.703 74.279,62.512 72.401,63.203 74.279,64.012 72.401,64.703 96.646,64.97 99.9,65 74.279,65.512 72.401,66.203 74.279,67.012 72.401,67.703 74.279,68.512 72.401,69.203 74.279,70.012 72.401,70.703 74.279,71.512 72.401,72.203 115.415,72.233 116.685,72.233 117.955,72.233 119.225,72.233 132.375,72.333 133.645,72.333 134.915,72.333 136.185,72.333 74.279,73.012 115.415,73.503 116.685,73.503 117.955,73.503 119.225,73.503 132.375,73.603 133.645,73.603 134.915,73.603 136.185,73.603 72.401,73.703 74.279,74.512 115.415,74.773 116.685,74.773 117.955,74.773 119.225,74.773 132.375,74.873 133.645,74.873 134.915,74.873 136.185,74.873 72.401,75.203 74.279,76.012 115.415,76.043 116.685,76.043 117.955,76.043 132.375,76.143 133.645,76.143 134.915,76.143 72.401,76.703 110.335,77.313 111.605,77.313 112.875,77.313 114.145,77.313 115.415,77.313 116.685,77.313 117.955,77.313 120.495,77.313 121.765,77.313 127.295,77.413 128.565,77.413 129.835,77.413 131.105,77.413 132.375,77.413 133.645,77.413 134.915,77.413 137.455,77.413 138.725,77.413 110.335,78.583 111.605,78.583 112.875,78.583 114.145,78.583 115.415,78.583 116.685,78.583 117.955,78.583 119.225,78.583 120.495,78.583 121.765,78.583 127.295,78.683 128.565,78.683 129.835,78.683 131.105,78.683 132.375,78.683 133.645,78.683 134.915,78.683 136.185,78.683 137.455,78.683 138.725,78.683 75.213,78.725 73.326,79.488 110.335,79.853 111.605,79.853 112.875,79.853 114.145,79.853 115.415,79.853 116.685,79.853 123.035,79.853 76.109,79.928 127.295,79.953 128.565,79.953 129.835,79.953 131.105,79.953 132.375,79.953 133.645,79.953 139.995,79.953 74.34,80.594 76.409,84.398 74.531,85.081 76.409,85.898 74.531,86.581 128.882,86.644 129.982,86.644 131.082,86.644 76.409,87.398 128.882,87.744 129.982,87.744 131.082,87.744 74.531,88.081 128.882,88.844 129.982,88.844 131.082,88.844 76.409,88.898 74.531,89.581 76.409,90.398 74.531,91.081 76.409,91.898 74.531,92.581 76.409,93.398 74.531,94.081 76.409,94.898 74.531,95.581 76.409,96.398 74.531,97.081 76.409,97.898 74.531,98.581 76.468,99.397 76.505,101.106 74.526,102.478 76.404,102.603
  other v2: 88.969,50.37 88.969,52.58 124.825,60.945 124.825,63.155
LNA_OUT: BSC5.1 FL4.8
LNA_PD: BSC15.1 R49.1
LOCK_DETECT: BSC20.1 U6.30
NetC1_2: C1.2 IC1.K1 IC1.K2 IC1.L1 IC1.L2 R5.2 R20.2 R95.2 | length 9.3
  Bottom w0.2: R95.2@125.275,73.3 R95.2@125.625,72.95
  Bottom w0.3: v1(123.035,73.503) 123.643,74.111 123.643,74.507 124.485,75.35 R20.2@124.535,75.35
  Bottom w0.6: R5.2@120.45,72.275 120.492,72.233 v1(121.765,72.233) v1(121.765,73.503) v1(123.035,73.503) v1(123.035,72.233) ; v1(125.625,72.35) R95.2@125.625,72.95 v1(125.625,73.536)
NetC3_2: C3.2 IC1.A1 IC1.A2 IC1.A3 IC1.A4 IC1.B1 IC1.B2 IC1.B3 IC1.B4 IC1.C1 IC1.C2 IC1.C3 IC1.C4 IC1.D1 IC1.D2 IC1.D3 IC1.D4 R98.1 | length 2.6
  Bottom w0.6: C3.2@110.225,72.9 C3.2@110.335,72.9 ; v1(110.335,72.233) C3.2@110.335,72.9 ; v1(110.335,73.503) C3.2@110.335,72.9 ; v1(112.875,72.233) v1(114.145,72.233)
  other v1: 111.605,72.233 111.605,73.503 112.875,73.503 114.145,73.503 110.335,74.773 111.605,74.773 112.875,74.773 114.145,74.773 110.335,76.043 111.605,76.043 112.875,76.043 114.145,76.043
NetC8_2: C8.2 IC2.K1 | length 2.5
  Bottom w0.18: C8.2@91.596,78.994 91.596,77.353 v1(92.215,76.734)
NetC9_2: C9.2 IC2.J2 | length 2.7
  Bottom w0.18: v1(90.945,75.464) 91.675,76.194 C9.2@93.296,76.194
NetC10_2: C10.2 IC3.K1 IC3.K2 IC3.L1 IC3.L2 R6.2 R7.2 R126.2 R127.2 | length 70.5
  Int4 w2: 78.27,87.9 122.073,87.9 cw(c122.073,85.36) 123.869,87.156 125.881,85.144 ccw(c127.677,86.94) 127.677,84.4 128.986,84.4 cw(c128.986,78.469) 133.179,82.663 133.976,81.866
  Bottom w0.3: R7.2@137.45,72.35 ccw(c137.55,72.35) 137.55,72.25 138.725,72.25 C10.2@139.35,72.25
  Bottom w0.5: C10.2@139.35,72.25 139.433,72.333 v1(139.995,72.333) ; C10.2@139.995,72.3 140.085,72.39 140.533,72.39 140.718,72.575 141.075,72.575 R126.2@141.425,72.925 ; C10.2@139.995,72.39 v1(139.995,73.603) 140.647,73.603 140.875,73.375 141.075,73.375 141.425,73.025 R126.2@141.425,72.975 R126.2@141.425,72.925 ; R6.2@141.45,75.725 141.45,72.95 R126.2@141.425,72.925
  Bottom w0.6: C10.2@138.725,72.25 v1(138.725,72.333) v1(138.725,73.603) v1(139.995,73.603)
  other v1: 72.475,87.376 73.075,88.05 72.475,88.625
NetC15_1: C15.1 IC4.3
NetC15_2: C15.2 C183.2 IC4.5 P1.1 R22.2 R105.1
NetC16_1: C16.1 FL2.3 R34.1 | length 1.6
  Top w0.22: v1(121.645,62.199) 122.84,62.199 cw(c122.84,61.69) FL2.3@123.2,62.05
NetC16_2: C16.2 R29.2 R42.1 R71.1 R75.2 | length 2.8
  Top w0.18: R71.1@118.863,61.374 118.863,62.171 cw(c118.897,62.171) R75.2@118.873,62.194 118.873,62.199 R75.2@118.873,62.214
  Top w0.187: R75.2@118.863,62.171 118.863,62.199 118.873,62.199 v1(120.745,62.199)
  Bottom w0.187: v1(120.745,62.199) R42.1@120.745,62.209
NetC17_1: C17.1 R30.2 R32.2 R72.2 R76.2 | length 4.2
  Top w0.18: R76.2@96.175,54.534 R72.2@96.98,54.534
  Top w0.187: v1(94.15,54.497) 94.334,54.497 C17.1@94.357,54.52 ; C17.1@94.15,54.501 94.15,54.52 C17.1@94.357,54.52 ; C17.1@94.367,54.53 C17.1@94.357,54.52 ; R30.2@96.031,53.465 R76.2@96.031,54.52 ; R76.2@96.05,54.52 R76.2@96.031,54.52 ; R76.2@96.175,54.534 96.161,54.52 96.06,54.52 R76.2@96.05,54.53 96.031,54.53 R76.2@96.031,54.52 ; C17.1@94.357,54.52 R76.2@96.031,54.52
NetC17_2: C17.2 IC6.4 R31.1 | length 2.2
  Top w0.187: v1(94.15,53.597) 94.15,51.421 IC6.4@94.176,51.421
NetC18_1: C18.1 R75.1 | length 1
  Top w0.187: C18.1@116.974,62.219 117.166,62.219 117.191,62.194 R75.1@117.933,62.194
NetC18_2: C18.2 C20.2 L1.1 | length 2.5
  Top w0.22: L1.1@113.584,62.219 113.604,62.239 C20.2@115.22,62.239 ; C20.2@115.22,62.219 C18.2@116.074,62.219
NetC19_2: C19.2 L1.2 U1.1 | length 4.3
  Top w0.22: U1.1@108.441,62.214 108.471,62.244 C19.2@111.095,62.244 111.12,62.219 L1.2@112.664,62.219 L1.2@112.659,62.214
NetC21_2: C21.2 C170.1 L2.2 L22.1 | length 4.1
  Top w0.22: L22.1@98.655,62.219 98.655,62.25 C21.2@100.2,62.25 C170.1@100.2,61.16 ; C21.2@100.301,62.244 L2.2@101.764,62.244
NetC99_2: C99.2 C100.2 R85.1 U3.20
NetC101_2: C101.2 C102.2 R86.1 U5.5
NetC105_1: C105.1 TR1.3 | length 0.4
  Top w0.187: TR1.3@141.245,86.811 TR1.3@141.532,86.525
NetC105_2: C105.2 R35.1 R37.2 | length 2.1
  Top w0.187: C105.2@142.66,85.809 142.66,86.816 R37.2@142.64,86.836 142.64,87.916 R35.1@142.66,87.916
NetC106_2: C106.2 TR2.3 | length 1.7
  Top w0.187: C106.2@117.425,89.034 117.433,89.026 117.445,89.014 TR2.3@119.147,89.014
NetC109_2: BSC15_1.1 BSC20_1.1 C109.2 C113.2 R40.2 U6.7 | length 4.3
  Top w0.254: R40.2@131.882,92.494 131.982,92.594 C109.2@131.982,94.244 ; R40.2@131.982,92.494 131.982,92.498 132.205,92.721 133.429,92.721 133.877,93.169 C113.2@133.877,93.494
NetC113_1: BSC12_1.1 BSC17_1.1 C113.1 R39.2 | length 1.9
  Top w0.254: C113.1@136.877,93.494 137.252,93.119 R39.2@138.575,93.119
NetC114_1: C114.1 C115.1
NetC114_2: C114.2 C115.2 U6.23
NetC116_1: C116.1 U6.25 | length 0.3
  Top w0.25: U6.25@127.207,89.494 U6.25@127.457,89.494
NetC117_2: BSC11_1.1 BSC21_1.1 C117.2 R40.1 U6.20 | length 2.1
  Top w0.254: BSC11_1.1@128.232,92.594 128.332,92.494 R40.1@130.282,92.494
  Top w0.3: v1(130.565,93.04) BSC21_1.1@130.565,93.047
NetC120_2: C120.2 C121.2 U6.24
NetC122_1: C122.1 U6.32
NetC129_1: C129.1 IC10.2
NetC129_2: C129.2 IC10.4 R96.1
NetC136_1: C136.1 IC11.2
NetC136_2: C136.2 IC11.4 R101.1 | length 0
  Top w0.254: IC11.4@88.024,93.28 IC11.4@88.05,93.254
NetC146_1: C146.1 L18.2 R25.2 R27.2 | length 2.3
  Top w0.187: R27.2@80.045,102.005 80.045,101.274 C146.1@80.047,101.272 ; 80.045,103.77 80.54,104.265 ; C146.1@80.05,101.272 80.95,101.272
NetC146_2: C146.2 C148.2 L17.1 | length 0.8
  Top w0.187: C146.2@80.95,101.272 81.73,101.272 cw(c81.73,101.23) L17.1@81.76,101.26
NetC147_1: C147.1 R58.2 R59.2 | length 1.8
  Top w0.187: R59.2@88.9,102.205 R58.2@88.9,101.3 89.681,101.3 cw(c89.681,101.203) C147.1@89.75,101.272
NetC147_2: C147.2 R26.2 R28.1 | length 0
  Top w0.187: C147.2@89.75,102.175 C147.2@89.75,102.2
NetC149_2: C149.2 R3.2 R48.1 U9.8 | length 2.4
  Top w0.18: U9.8@86.084,99.31 86.084,98.126 v1(86.109,98.101)
  Bottom w0.3: R3.2@86.105,99.275 86.107,99.273 86.107,98.123 R48.1@86.109,98.121 v1(86.109,98.101)
NetC150_2: C150.2 C151.2 L3.1 R61.2 | length 4.7
  Top w0.187: R61.2@83.15,110.5 83.3,110.35 C150.2@83.3,107.75 83.3,106.537 83.717,106.12 L3.1@83.8,106.12
NetC152_2: C152.2 R49.2 R53.1 U9.5 | length 2.4
  Top w0.18: v1(84.584,98.101) U9.5@84.584,99.31
  Bottom w0.3: v1(84.584,98.101) 84.584,99.276 cw(c84.618,99.276) R53.1@84.594,99.3
  other v1: 84.784,100.46 85.884,100.46 84.784,101.56 85.884,101.56
NetC153_2: C153.2 C154.2 L4.1 R63.2
NetC155_1: C155.1 IC15.11 | length 0.7
  Top w0.254: IC15.11@77.125,53.963 C155.1@77.849,53.963
NetC155_2: C155.2 IC16.11 | length 6.4
  Top w0.187: C155.2@78.9,53.963 v1(78.925,53.975) ; v1(83.55,50.75) IC16.11@83.55,51.525
  Int2 [shielded signals] w0.254: v1(78.925,53.975) v1(83.55,50.75)
NetC156_1: C156.1 J1.1 R64.1 | length 2.7
  Top w0.187: J1.1@72.65,55.95 74.27,55.95 R64.1@74.275,55.955 74.28,55.95 C156.1@75.297,55.95
NetC156_2: C156.2 IC15.2 | length 1
  Top w0.187: IC15.2@76.2,54.888 C156.2@76.2,55.925
NetC157_1: C157.1 IC16.2 | length 1.2
  Top w0.187: IC16.2@84.475,52.45 C157.1@85.675,52.435
NetC157_2: C157.2 FL1.3 R33.1 | length 0.1
  Top w0.187: C157.2@85.452,51.454 C157.2@85.452,51.531
NetC158_1: C158.1 IC15.5 | length 1
  Top w0.187: C158.1@74.25,53.97 75.275,53.97 IC15.5@75.275,53.963
NetC158_2: C158.2 R46.2 | length 46.3
  Top w0.187: C158.2@73.35,53.97 v1(73.34,53.97) C158.2@73.33,53.97 ; C158.2@73.33,53.97 cw(c73.33,54) 73.3,54 C158.2@73.33,53.97
  Int2 [shielded signals] w0.357: v1(73.34,53.97) 73.34,77.127 cw(c75.88,77.127) 73.874,78.685 cw(c75.88,77.127) 74.084,78.923 74.936,79.775 ccw(c72.93,81.333) 75.47,81.333 v1(75.47,99.53)
NetC161_1: C161.1 R71.2 | length 11.3
  Top w0.22: 118.497,60.437 118.5,60.434 v1(118.863,60.434) 118.86,60.437 118.497,60.437
  Int2 [shielded signals] w0.3: v1(110.675,54.459) 115.53,59.314 ; v1(118.863,60.434) 117.714,60.434 117.708,60.44 ccw(c117.708,57.9) 117.556,60.435 ccw(c117.708,57.9) 115.912,59.696 115.531,59.315 ; 115.53,59.314 cw(c118.494,56.351) 115.531,59.315 ; 115.53,59.314 115.531,59.315
NetC161_2: C161.2 U10.5 | length 1.1
  Top w0.187: U10.5@108.691,54.459 C161.2@109.775,54.459
NetC162_1: C162.1 L21.2 U10.20 | length 4.1
  Top w0.187: C162.1@99.75,54.514 C162.1@99.75,54.524 101.219,54.524 cw(c101.219,54.409) L21.2@101.3,54.49 101.3,54.459 U10.20@103.841,54.459
NetC162_2: C162.2 R72.1 | length 0.9
  Top w0.187: R72.1@97.92,54.534 98.822,54.534 cw(c98.822,54.499) C162.2@98.847,54.524
NetC163_2: C163.2 R78.1
NetC164_2: C164.2 R79.1
NetC165_2: C165.2 R80.1
NetC166_2: C166.2 R81.1
NetC167_1: C167.1 R83.2 | length 1.9
  Top w0.3: R83.2@98.117,57.12 C167.1@98.117,59.03
NetC167_2: C167.2 C168.2 L22.2 R82.1 | length 6
  Top w0.3: R82.1@95.15,61.55 L22.2@96.695,61.55 ; L22.2@96.695,62.219 L22.2@96.695,61.55 ; C167.2@98.117,59.93 C168.2@96.695,59.93 ; C168.2@96.695,59.93 L22.2@96.695,61.55 ; C168.2@96.695,59.93 96.695,59.858 C168.2@96.517,59.68 96.517,59.93 C168.2@96.695,59.93
NetC170_2: C170.2 R76.1 | length 6.6
  Top w0.187: R76.1@96.05,55.517 R76.1@96.05,55.47 96.055,55.47 v1(96.075,55.45) ; C170.2@100.2,60.05 v1(100.2,60.24)
  Int2 [shielded signals] w0.3: v1(96.075,55.45) v1(100.2,60.24)
NetC177_2: C177.2 U12.1 | length 1.7
  Top w0.187: U12.1@131.66,64.068 C177.2@133.328,64.068
NetC178_1: C178.1 L23.1 U12.3 | length 1.3
  Top w0.187: C178.1@127.393,63.978 128.57,63.978 U12.3@128.66,64.068
NetC178_2: C178.2 FL2.1 | length 2
  Top w0.187: FL2.1@126.45,62.05 FL2.1@126.475,62.075
  Top w0.22: FL2.1@126.45,62.05 ccw(c126.402,62.098) 126.47,62.098 C178.2@126.47,64.003
NetC181_1: C181.1 L13.2 U8.1
NetC181_2: C181.2 D1.2 L14.1